# Altium PCB visual_tactile.PcbDoc (continued)
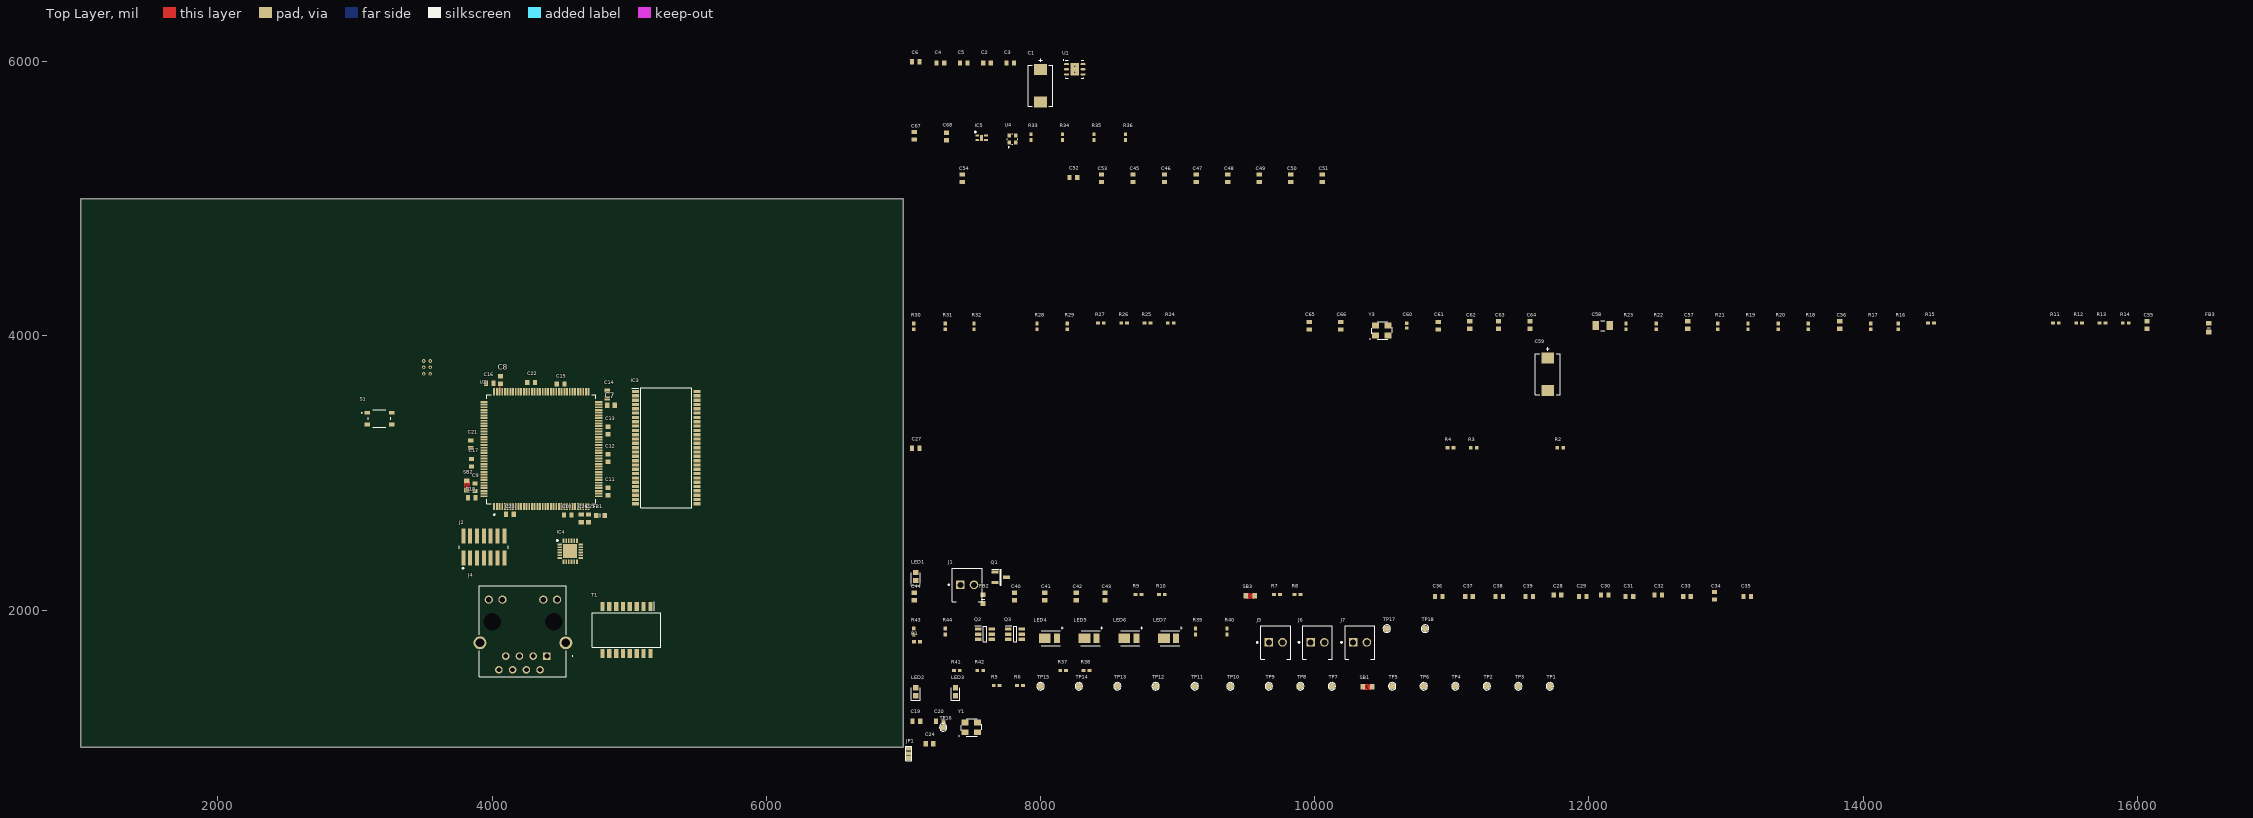
[diagram p0: Top Layer view]
## Part data (continued)
C7 C8: library part C0603C300J5GACTU, "Ceramic Capacitor, Multilayer, Ceramic, 6.3V, 10% +Tol, 10% -Tol, X7R, 15% TC, 2.2uF, Surface Mount, 0603", Capacitor Type=Ceramic, Case/Package=0603, Manufacturer="Kyocera AVX", Manufacturer_Name=KEMET, Max Operating Temperature=125°C, Min Operating Temperature=-55°C, Mouser Part Number=80-C0603C300J5G, Package Shape=Rectangular, Package Style=SMTMeter, Rated DC Voltage (URdc)=6.3V, Temperature Characteristics Code=X7R, Tolerance  (fill in as +-)=10%, Arrow Part Number=C0603C300J5GACTU, Arrow Price/Stock=https://www.arrow.com/en/products/c0603c300j5gactu/kemet-corporation, Category="Ceramic Capacitors", ComponentLink1Description=https://datasheet.ciiva.com:443/pdfs/VipMasterIC/IC/AVXC/AVXC-S-A0009640452/AVXC-S-A0009640452-1.pdf?src-supplier=IHS+Markit, ComponentLink1URL=https://datasheet.ciiva.com:443/pdfs/VipMasterIC/IC/AVXC/AVXC-S-A0009640452/AVXC-S-A0009640452-1.pdf?src-supplier=IHS+Markit, Datasheet Link=https://content.kemet.com/datasheets/KEM_C1003_C0G_SMD.pdf, Dielectric Material=Ceramic, Height=0.87mm, JESD-609 Code=e3, Length=1.6mm, Manufacturer Part Number=06036C225KAT2A, Manufacturer_Part_Number=C0603C300J5GACTU, Mounting Technology="Surface Mount", Mouser Price/Stock=https://www.mouser.co.uk/ProductDetail/KEMET/C0603C300J5GACTU?qs=KQYYlyH3z3RpeXhtJmCcMA%3D%3D, Multilayer=Yes, Packaging="Tape and Reel", Pins=2, Pricing="4000=0.0297, 8000=0.0293 (USD)", Reach SVHC Compliant=Yes, RoHS=Yes, RoHS Compliant=Yes, Stock=848000, Supplier="Arrow Electronics", Supplier Part Number=06036C225KAT2A, Terminal Finish=Nickel, Termination=Wraparound, Tolerance (fill in as +-)=10%, Width=0.81mm
C20 C21 C65 C66: library part C0603C300J5GACTU, "Ceramic Capacitor, Multilayer, Ceramic, 50V, 5% +Tol, 5% -Tol, C0G, 30ppm/Cel TC, 0.00003uF, Surface Mount, 0603", Capacitor Type=Ceramic, Case/Package=0603, Manufacturer=KEMET, Max Operating Temperature=125°C, Min Operating Temperature=-55°C, Mouser Part Number=80-C0603C300J5G, Package Shape=Rectangular, Package Style=SMTMeter, Rated DC Voltage (URdc)=50V, Temperature Characteristics Code=C0G, Tolerance  (fill in as +-)=5%, Arrow Part Number=C0603C300J5GACTU, Arrow Price/Stock=https://www.arrow.com/en/products/c0603c300j5gactu/kemet-corporation, Category="Ceramic Capacitors", ComponentLink1Description=https://datasheet.ciiva.com:443/pdfs/VipMasterIC/IC/KEME/KEME-S-A0005605168/KEME-S-A0005605168-1.pdf?src-supplier=IHS+Markit, ComponentLink1URL=https://datasheet.ciiva.com:443/pdfs/VipMasterIC/IC/KEME/KEME-S-A0005605168/KEME-S-A0005605168-1.pdf?src-supplier=IHS+Markit, ComponentLink2Description=https://datasheet.ciiva.com/22700/1691965-22700853.pdf?src-supplier=Element14, ComponentLink2URL=https://datasheet.ciiva.com/22700/1691965-22700853.pdf?src-supplier=Element14, ComponentLink3Description=https://datasheet.ciiva.com/5420/kem-c1003-c0g-smd-356956-5420875.pdf?src-supplier=Mouser, ComponentLink3URL=https://datasheet.ciiva.com/5420/kem-c1003-c0g-smd-356956-5420875.pdf?src-supplier=Mouser, Datasheet Link=https://content.kemet.com/datasheets/KEM_C1003_C0G_SMD.pdf, Dielectric Material=Ceramic, Height=0.87mm, JESD-609 Code=e3, Length=1.6mm, Manufacturer Part Number=C0603C300J5GACTU, Manufacturer_Name=KEMET, Manufacturer_Part_Number=C0603C300J5GACTU, Mounting Technology="Surface Mount", Mouser Price/Stock=https://www.mouser.co.uk/ProductDetail/KEMET/C0603C300J5GACTU?qs=KQYYlyH3z3RpeXhtJmCcMA%3D%3D, Multilayer=Yes, Packaging="Tape and Reel", Pins=2, Pricing="1=0.1, 10=0.032, 50=0.032, 100=0.016, 1000=0.011, 10000=0.008 (USD)", Reach SVHC Compliant=Yes, RoHS=Yes, RoHS Compliant=Yes, Stock=135157, Supplier=Mouser, Supplier Part Number=80-C0603C300J5G, Terminal Finish=Nickel, Termination=Wraparound, Tolerance (fill in as +-)=5%, Width=0.8mm
C28 C31 C34 C37: library part C0603C300J5GACTU, "Ceramic Capacitor, Multilayer, Ceramic, 10V, 10% +Tol, 10% -Tol, X5R, 15% TC, 10uF, Surface Mount, 0603", Capacitor Type=Ceramic, Case/Package=0603, Manufacturer=KEMET, Max Operating Temperature=125°C, Min Operating Temperature=-55°C, Mouser Part Number=80-C0603C300J5G, Package Shape=Rectangular, Package Style=SMTMeter, Rated DC Voltage (URdc)=50V, Temperature Characteristics Code=C0G, Tolerance  (fill in as +-)=5%, Arrow Part Number=C0603C300J5GACTU, Arrow Price/Stock=https://www.arrow.com/en/products/c0603c300j5gactu/kemet-corporation, Category="Ceramic Capacitors", ComponentLink1Description=https://datasheet.ciiva.com:443/pdfs/VipMasterIC/IC/KEME/KEME-S-A0005605168/KEME-S-A0005605168-1.pdf?src-supplier=IHS+Markit, ComponentLink1URL=https://datasheet.ciiva.com:443/pdfs/VipMasterIC/IC/KEME/KEME-S-A0005605168/KEME-S-A0005605168-1.pdf?src-supplier=IHS+Markit, ComponentLink2Description=https://datasheet.ciiva.com/22700/1691965-22700853.pdf?src-supplier=Element14, ComponentLink2URL=https://datasheet.ciiva.com/22700/1691965-22700853.pdf?src-supplier=Element14, ComponentLink3Description=https://datasheet.ciiva.com/5420/kem-c1003-c0g-smd-356956-5420875.pdf?src-supplier=Mouser, ComponentLink3URL=https://datasheet.ciiva.com/5420/kem-c1003-c0g-smd-356956-5420875.pdf?src-supplier=Mouser, ComponentLink4Description=https://datasheet.ciiva.com:443/pdfs/VipMasterIC/IC/TDKC/TDKC-S-A0008796792/TDKC-S-A0008796792-1.pdf?src-supplier=IHS+Markit, ComponentLink4URL=https://datasheet.ciiva.com:443/pdfs/VipMasterIC/IC/TDKC/TDKC-S-A0008796792/TDKC-S-A0008796792-1.pdf?src-supplier=IHS+Markit, Datasheet Link=https://content.kemet.com/datasheets/KEM_C1003_C0G_SMD.pdf, Dielectric Material=Ceramic, Height=0.87mm, JESD-609 Code=e3, Length=1.6mm, Manufacturer Part Number=C0603C300J5GACTU, Manufacturer_Name=KEMET, Manufacturer_Part_Number=C0603C300J5GACTU, Mounting Technology="Surface Mount", Mouser Price/Stock=https://www.mouser.co.uk/ProductDetail/KEMET/C0603C300J5GACTU?qs=KQYYlyH3z3RpeXhtJmCcMA%3D%3D, Multilayer=Yes, Packaging="Tape and Reel", Pins=2, Pricing="1=0.1, 10=0.032, 50=0.032, 100=0.016, 1000=0.011, 10000=0.008 (USD)", Reach SVHC Compliant=Yes, RoHS=Yes, RoHS Compliant=Yes, Stock=135157, Supplier=Mouser, Supplier Part Number=80-C0603C300J5G, Terminal Finish=Nickel, Termination=Wraparound, Tolerance (fill in as +-)=5%, Width=0.8mm
C29 C30 C32 C33 C35 C36 C38 C39 C61 C68: library part C0603C300J5GACTU, "Ceramic Capacitor, Multilayer, Ceramic, 10V, 10% +Tol, 10% -Tol, X5R, 15% TC, 1uF, Surface Mount, 0603", Capacitor Type=Ceramic, Case/Package=0603, Manufacturer="Kyocera AVX", Manufacturer_Name=KEMET, Max Operating Temperature=85°C, Min Operating Temperature=-55°C, Mouser Part Number=80-C0603C300J5G, Package Shape=Rectangular, Package Style=SMTMeter, Rated DC Voltage (URdc)=10V, Temperature Characteristics Code=X5R, Tolerance  (fill in as +-)=10%, Arrow Part Number=C0603C300J5GACTU, Arrow Price/Stock=https://www.arrow.com/en/products/c0603c300j5gactu/kemet-corporation, Category="Ceramic Capacitors", ComponentLink1Description=https://datasheet.ciiva.com:443/pdfs/VipMasterIC/IC/AVXC/AVXC-S-A0009640604/AVXC-S-A0009640604-1.pdf?src-supplier=IHS+Markit, ComponentLink1URL=https://datasheet.ciiva.com:443/pdfs/VipMasterIC/IC/AVXC/AVXC-S-A0009640604/AVXC-S-A0009640604-1.pdf?src-supplier=IHS+Markit, ComponentLink2Description=https://datasheet.ciiva.com/11787/0900766b80a45521-11787469.pdf?src-supplier=Rs, ComponentLink2URL=https://datasheet.ciiva.com/11787/0900766b80a45521-11787469.pdf?src-supplier=Rs, ComponentLink3Description=https://datasheet.ciiva.com/150/cx5r-150308.pdf?src-supplier=Digikey, ComponentLink3URL=https://datasheet.ciiva.com/150/cx5r-150308.pdf?src-supplier=Digikey, ComponentLink4Description=https://datasheet.ciiva.com/150/cx5r-150309.pdf?src-supplier=Digikey, ComponentLink4URL=https://datasheet.ciiva.com/150/cx5r-150309.pdf?src-supplier=Digikey, ComponentLink5Description=https://datasheet.ciiva.com/150/cx5r-150310.pdf?src-supplier=Digikey, ComponentLink5URL=https://datasheet.ciiva.com/150/cx5r-150310.pdf?src-supplier=Digikey, ComponentLink6Description=https://datasheet.ciiva.com/6128/84508-6128747.pdf?src-supplier=Farnell, ComponentLink6URL=https://datasheet.ciiva.com/6128/84508-6128747.pdf?src-supplier=Farnell, ComponentLink7Description=https://datasheet.ciiva.com/11462/cx5r-11462907.pdf?src-supplier=Avnet, ComponentLink7URL=https://datasheet.ciiva.com/11462/cx5r-11462907.pdf?src-supplier=Avnet, ComponentLink8Description=https://datasheet.ciiva.com/2987/cx5r-2987907.pdf?src-supplier=Avnet, ComponentLink8URL=https://datasheet.ciiva.com/2987/cx5r-2987907.pdf?src-supplier=Avnet, ComponentLink9Description=https://datasheet.ciiva.com/16200/cx5r-16200364.pdf?src-supplier=Future+Electronics, ComponentLink9URL=https://datasheet.ciiva.com/16200/cx5r-16200364.pdf?src-supplier=Future+Electronics, ComponentLink10Description=https://datasheet.ciiva.com/14604/70001028-14604907.pdf?src-supplier=Allied+Electronics, ComponentLink10URL=https://datasheet.ciiva.com/14604/70001028-14604907.pdf?src-supplier=Allied+Electronics, ComponentLink11Description=https://datasheet.ciiva.com/1458/1666675-1458205.pdf?src-supplier=Element14, ComponentLink11URL=https://datasheet.ciiva.com/1458/1666675-1458205.pdf?src-supplier=Element14, ComponentLink12Description=https://datasheet.ciiva.com/1458/1666675-1458206.pdf?src-supplier=Element14, ComponentLink12URL=https://datasheet.ciiva.com/1458/1666675-1458206.pdf?src-supplier=Element14, ComponentLink13Description=https://datasheet.ciiva.com/1458/84508-1458207.pdf?src-supplier=Element14, ComponentLink13URL=https://datasheet.ciiva.com/1458/84508-1458207.pdf?src-supplier=Element14, ComponentLink14Description=https://datasheet.ciiva.com/7855/1666675-7855113.pdf?src-supplier=Element14, ComponentLink14URL=https://datasheet.ciiva.com/7855/1666675-7855113.pdf?src-supplier=Element14, Datasheet Link=https://content.kemet.com/datasheets/KEM_C1003_C0G_SMD.pdf, Dielectric Material=Ceramic, Height=0.87mm, JESD-609 Code=e3, Length=1.6mm, Manufacturer Part Number=0603ZD105KAT2A, Manufacturer_Part_Number=C0603C300J5GACTU, Mounting Technology="Surface Mount", Mouser Price/Stock=https://www.mouser.co.uk/ProductDetail/KEMET/C0603C300J5GACTU?qs=KQYYlyH3z3RpeXhtJmCcMA%3D%3D, Multilayer=Yes, Packaging="Tape and Reel", Pins=2, Pricing="4000=0.0155, 8000=0.014, 12000=0.0136, 20000=0.0135, 24000=0.0127, 100000=0.009 (USD)", Reach SVHC Compliant=Yes, RoHS=Yes, RoHS Compliant=Yes, Stock=612000, Supplier="Arrow Electronics", Supplier Part Number=0603ZD105KAT2A, Terminal Finish=Nickel, Termination=Wraparound, Tolerance (fill in as +-)=10%, Width=0.81mm
C52 C53: library part C0603C300J5GACTU, "Ceramic Capacitor, Multilayer, Ceramic, 6.3V, 10% +Tol, 10% -Tol, X7R, 15% TC, 2.2uF, Surface Mount, 0603", Capacitor Type=Ceramic, Case/Package=0603, Manufacturer=KEMET, Manufacturer Part Number=C0603C225K4PACTU, Max Operating Temperature=85°C, Min Operating Temperature=-55°C, Mouser Part Number=80-C0603C300J5G, Package Shape=Rectangular, Package Style=SMTMeter, Rated DC Voltage (URdc)=16V, Supplier Part Number=80-C0603C225K4P, Temperature Characteristics Code=X5R, Tolerance  (fill in as +-)=10%, Arrow Part Number=C0603C300J5GACTU, Arrow Price/Stock=https://www.arrow.com/en/products/c0603c300j5gactu/kemet-corporation, Category="Ceramic Capacitors", ComponentLink1Description=https://datasheet.ciiva.com:443/pdfs/VipMasterIC/IC/KEME/KEME-S-A0008991665/KEME-S-A0008991665-1.pdf?src-supplier=IHS+Markit, ComponentLink1URL=https://datasheet.ciiva.com:443/pdfs/VipMasterIC/IC/KEME/KEME-S-A0008991665/KEME-S-A0008991665-1.pdf?src-supplier=IHS+Markit, ComponentLink2Description=https://datasheet.ciiva.com:443/pdfs/VipMasterIC/IC/AVXC/AVXC-S-A0009640452/AVXC-S-A0009640452-1.pdf?src-supplier=IHS+Markit, ComponentLink2URL=https://datasheet.ciiva.com:443/pdfs/VipMasterIC/IC/AVXC/AVXC-S-A0009640452/AVXC-S-A0009640452-1.pdf?src-supplier=IHS+Markit, Datasheet Link=https://content.kemet.com/datasheets/KEM_C1003_C0G_SMD.pdf, Dielectric Material=Ceramic, Height=0.87mm, JESD-609 Code=e3, Length=1.6mm, Manufacturer_Name=KEMET, Manufacturer_Part_Number=C0603C300J5GACTU, Mounting Technology="Surface Mount", Mouser Price/Stock=https://www.mouser.co.uk/ProductDetail/KEMET/C0603C300J5GACTU?qs=KQYYlyH3z3RpeXhtJmCcMA%3D%3D, Multilayer=Yes, Packaging="Tape and Reel", Pins=2, Pricing="1=0.12, 10=0.049, 50=0.049, 100=0.029, 1000=0.024, 10000=0.022 (USD)", Reach SVHC Compliant=Yes, RoHS=Yes, RoHS Compliant=Yes, Stock=124128, Supplier=Mouser, Terminal Finish=Nickel, Termination=Wraparound, Tolerance (fill in as +-)=10%, Width=0.8mm
C58: library part CMP-2000-05436-2, "CAP CER 1000PF 2KV X7R 1206", Capacitance=1nF, Case Code (Imperial)=1206, Case Code (Metric)=3216, Dielectric=X7R, Insulation Resistance=10GR, Max Operating Temperature=125°C, Min Operating Temperature=-55°C, Package Quantity=1, Resistor Type=Ceramic, Tolerance=10%, Voltage=2kV, Case/Package=1206, Construction=Flat, Depth=1.6mm, Dissipation Factor=2.5%, Height=1.25mm, Lead Free="Lead Free", Length=3.2mm, Mount="Surface Mount", Number of Pins=2, Packaging="Tape and Reel", Radiation Hardening=No, RoHS Compliant=Yes, Series=CC, Termination=SMD/SMT, Thickness=0.057inch, Voltage Rating=2kV, Voltage Rating (DC)=2kV, Width=0.063inch
C60: library part CC0402KRX7R7BB104, "Ceramic Capacitor, Multilayer, Ceramic, 50V, 5% +Tol, 5% -Tol, C0G, 30ppm/Cel TC, 0.00047uF, Surface Mount, 0603", Capacitor Type=Ceramic, Case/Package=0402, Manufacturer=Murata, Manufacturer Part Number=GRM1555C1H471JA01D, Manufacturer_Name=KEMET, Max Operating Temperature=125°C, Min Operating Temperature=-55°C, Mouser Part Number=603-CC402KRX7R7BB104, Package Shape=Rectangular, Package Style=SMTMeter, Rated DC Voltage (URdc)=50V, Supplier Part Number=81-GRM1555C1H471JA01, Temperature Characteristics Code=C0G, Tolerance  (fill in as +-)=5%, Arrow Part Number=CC0402KRX7R7BB104, Arrow Price/Stock=https://www.arrow.com/en/products/cc0402krx7r7bb104/yageo?region=nac, Category="Ceramic Capacitors", ComponentLink1Description=https://psearch.en.murata.com:443/capacitor/product/GRM1555C1H471JA01%23.pdf?src-supplier=IHS+Markit, ComponentLink1URL=https://psearch.en.murata.com:443/capacitor/product/GRM1555C1H471JA01%23.pdf?src-supplier=IHS+Markit, ComponentLink2Description=https://datasheet.ciiva.com/18184/getdatasheetpartid-178845-18184393.pdf?src-supplier=Verical, ComponentLink2URL=https://datasheet.ciiva.com/18184/getdatasheetpartid-178845-18184393.pdf?src-supplier=Verical, ComponentLink3Description=https://datasheet.ciiva.com/7828/4360-7828869.pdf?src-supplier=Element14, ComponentLink3URL=https://datasheet.ciiva.com/7828/4360-7828869.pdf?src-supplier=Element14, ComponentLink4Description=https://datasheet.ciiva.com/132/partnumbering-e-01-132216.pdf?src-supplier=Digikey, ComponentLink4URL=https://datasheet.ciiva.com/132/partnumbering-e-01-132216.pdf?src-supplier=Digikey, ComponentLink5Description=https://datasheet.ciiva.com/132/partnumbering-e-01-132215.pdf?src-supplier=Digikey, ComponentLink5URL=https://datasheet.ciiva.com/132/partnumbering-e-01-132215.pdf?src-supplier=Digikey, ComponentLink6Description=https://datasheet.ciiva.com/132/partnumbering-e-01-132217.pdf?src-supplier=Digikey, ComponentLink6URL=https://datasheet.ciiva.com/132/partnumbering-e-01-132217.pdf?src-supplier=Digikey, ComponentLink7Description=https://datasheet.ciiva.com/7828/4360-7828871.pdf?src-supplier=Element14, ComponentLink7URL=https://datasheet.ciiva.com/7828/4360-7828871.pdf?src-supplier=Element14, ComponentLink8Description=https://datasheet.ciiva.com:443/pdfs/VipMasterIC/IC/KEME/KEME-S-A0007731554/KEME-S-A0007723451-1.pdf?src-supplier=IHS+Markit, ComponentLink8URL=https://datasheet.ciiva.com:443/pdfs/VipMasterIC/IC/KEME/KEME-S-A0007731554/KEME-S-A0007723451-1.pdf?src-supplier=IHS+Markit, Datasheet Link=http://www.datasheets360.com/pdf/-5354154806277341459, Dielectric Material=Ceramic, Height=0.55mm, JESD-609 Code=e3, Length=1mm, Manufacturer_Part_Number=CC0402KRX7R7BB104, Mounting Technology="Surface Mount", Mouser Price/Stock=https://www.mouser.co.uk/ProductDetail/YAGEO/CC0402KRX7R7BB104?qs=AgBp2OyFlx%252BSOyhfyS7hpw%3D%3D, Multilayer=Yes, Packaging="Tape and Reel", Pins=2, Pricing="1=0.1, 10=0.023, 50=0.023, 100=0.012, 1000=0.009, 10000=0.006 (USD)", Reach SVHC Compliant=Yes, RoHS=Yes, RoHS Compliant=Yes, Stock=427132, Supplier=Mouser, Terminal Finish=Nickel, Termination=Wraparound, Tolerance (fill in as +-)=5%, Width=0.5mm
D1: "Diode ESD (Uni-directional)", Manufacturer_Name=STMicroelectronics, Mouser Part Number=511-USBLC6-4SC6Y, Arrow Part Number=USBLC6-4SC6Y, Arrow Price/Stock=https://www.arrow.com/en/products/usblc6-4sc6y/stmicroelectronics?region=nac, Datasheet Link=https://www.st.com/resource/en/datasheet/usblc6-4sc6y.pdf, Height=1.45mm, Manufacturer_Part_Number=USBLC6-4SC6Y, Mouser Price/Stock=https://www.mouser.co.uk/ProductDetail/STMicroelectronics/USBLC6-4SC6Y?qs=gNDSiZmRJS%252B5K%252Bxjl%252Bw9xw%3D%3D
FB1 FB2 FB3: "Ferrite Bead", Manufacturer_Name="TAIYO YUDEN", Mouser Part Number=963-FBMH1608HM601-T, Arrow Part Number=FBMH1608HM601-T, Arrow Price/Stock=https://www.arrow.com/en/products/fbmh1608hm601-t/taiyo-yuden, Datasheet Link=https://componentsearchengine.com/Datasheets/2/FBMH1608HM601-T.pdf, Height=0.9mm, Manufacturer_Part_Number=FBMH1608HM601-T, Mouser Price/Stock=https://www.mouser.co.uk/ProductDetail/Taiyo-Yuden/FBMH1608HM601-T?qs=I6KAKw0tg2y6O4cu0afp%252BA%3D%3D
IC1: "Integrated Circuit", Manufacturer_Name="Texas Instruments", Mouser Part Number=595-TLV74328PDBVR, Arrow Part Number=TLV74328PDBVR, Arrow Price/Stock=https://www.arrow.com/en/products/tlv74328pdbvr/texas-instruments, Datasheet Link=http://www.ti.com/lit/gpn/tlv743p, Height=1.45mm, Manufacturer_Part_Number=TLV74328PDBVR, Mouser Price/Stock=https://www.mouser.co.uk/ProductDetail/Texas-Instruments/TLV74328PDBVR?qs=EU6FO9ffTwcPVi1bAnm%2FxQ%3D%3D
IC2: "Integrated Circuit", Manufacturer_Name="Texas Instruments", Mouser Part Number=595-TLV74315PDBVR, Arrow Part Number=TLV74315PDBVR, Arrow Price/Stock=https://www.arrow.com/en/products/tlv74315pdbvr/texas-instruments, Datasheet Link=http://www.ti.com/lit/gpn/tlv743p, Height=1.45mm, Manufacturer_Part_Number=TLV74315PDBVR, Mouser Price/Stock=https://www.mouser.com/Search/Refine.aspx?Keyword=595-TLV74315PDBVR
IC3: "Integrated Circuit", Manufacturer_Name="Integrated Silicon Solution Inc.", Mouser Part Number=870-IS42S16400J-7TLI, Arrow Part Number=IS42S16400J-7TLI, Arrow Price/Stock=https://www.arrow.com/en/products/is42s16400j-7tli/integrated-silicon-solution-inc?region=europe, Datasheet Link=http://www.issi.com/WW/pdf/42-45S16400J.pdf, Height=1.2mm, Manufacturer_Part_Number=IS42S16400J-7TLI, Mouser Price/Stock=https://www.mouser.co.uk/ProductDetail/ISSI/IS42S16400J-7TLI?qs=eOmjsnl%2FhF6IYGbICFWNhg%3D%3D
IC4: "Integrated Circuit", Manufacturer_Name=Microchip, Mouser Part Number=579-LAN8742A-CZ-TR, Arrow Part Number=LAN8742A-CZ-TR, Arrow Price/Stock=https://www.arrow.com/en/products/lan8742a-cz-tr/microchip-technology?region=nac, Datasheet Link=http://ww1.microchip.com/downloads/en/DeviceDoc/8742a.pdf, Height=1mm, Manufacturer_Part_Number=LAN8742A-CZ-TR, Mouser Price/Stock=https://www.mouser.co.uk/ProductDetail/Microchip-Technology/LAN8742A-CZ-TR?qs=6qKXPk0vzx0Y6uPCt7MXWw%3D%3D
IC5: "Integrated Circuit", Manufacturer_Name=Sensirion, Mouser Part Number=403-SHT40-AD1B-R2, Arrow Part Number=SHT40-AD1B-R2, Arrow Price/Stock=https://www.arrow.com/en/products/sht40-ad1b-r2/sensirion-ag?region=nac, Datasheet Link=https://www.mouser.dk/datasheet/2/682/Sensirion_10272020_Datasheet_SHT4x-1919523.pdf, Height=0.59mm, Manufacturer_Part_Number=SHT40-AD1B-R2, Mouser Price/Stock=https://www.mouser.co.uk/ProductDetail/Sensirion/SHT40-AD1B-R2?qs=zW32dvEIR3scTT6A4VuzaQ%3D%3D
J1 J5 J6 J7: library part CMP-2000-05299-1, "Male Header, Pitch 2.54 mm, 1 x 2 Position, Height 9 mm, Tail Length 3.5 mm", Colour=Green, Manufacturer="Phoenix Contact", Content=250pc(s), Datasheet URL=http://datasheet.octopart.com/1725656-Phoenix-Contact-datasheet-5302866.pdf, Datasheet Version=Apr-08, Industrial packaging=Yes, Manufacturer part No.=1725656, Manufacturer URL=http://www.phoenixcontact.com/, Number of Contacts=2, Pitch=2.54mm, Type=MPT0,5/2-2,54
J2: library part CMP-02766-001412-1, "CONN HEADER SMD 14POS 1.27MM", Housing Color=Black, Max Operating Temperature=125°C, Min Operating Temperature=-55°C, Contact Material=Bronze, Contact Plating=Gold, Depth=5.84mm, Gender=Male, Housing Material=Polymer, Lead Free="Lead Free", Length=8.89mm, Number of Contacts=14, Number of Rows=2, Orientation=Straight, Packaging=Rail/Tube, Pitch=1.27mm, Radiation Hardening=No, RoHS Compliant=Yes, Termination=Solder
J3: "Connector", Manufacturer_Name="Wurth Elektronik", Mouser Part Number=710-68712414522, Datasheet Link=http://katalog.we-online.com/em/datasheet/6871xx14522.pdf, Height=2mm, Manufacturer_Part_Number=68712414522, Mouser Price/Stock=https://www.mouser.co.uk/ProductDetail/Wurth-Elektronik/68712414522?qs=gQDq3jdaPP%252BItTj8tkqRTw%3D%3D
J4: "Conn Jack 1PORT 100 Base-tx Pcb", Manufacturer=Pulse, Manufacturer_Name="Pulse Electronics", Mouser Part Number=673-JXD2-0Z10NL, Supplier Part Number=4058812, Arrow Part Number=JXD2-0Z10NL, Arrow Price/Stock=https://www.arrow.com/en/products/jxd2-0z10nl/pulse-electronics-corporation?region=europe, Category="Modular / Ethernet Connectors", ComponentLink1Description=https://datasheet.octopart.com/JXD2-0Z10NL-Pulse-datasheet-165161310.pdf?src-supplier=Sager+Electronics, ComponentLink1URL=https://datasheet.octopart.com/JXD2-0Z10NL-Pulse-datasheet-165161310.pdf?src-supplier=Sager+Electronics, Datasheet Link=https://productfinder.pulseelectronics.com/api/open/product-attachments/datasheet/jxd2-0z10nl, Height=17.2mm, Manufacturer Part Number=JXD2-0Z10NL, Manufacturer_Part_Number=JXD2-0Z10NL, Mouser Price/Stock=https://www.mouser.co.uk/ProductDetail/Pulse-Electronics/JXD2-0Z10NL?qs=MyNHzdoqoQKKbi0V%2FxsyPg%3D%3D, Pricing="1=6, 10=5.17, 25=4.94, 50=4.69, 100=4.46, 500=4.21 (EUR)", RoHS=No, Stock=762, Supplier=Farnell
LED1 LED2 LED3: "LED", Manufacturer_Name="Wurth Elektronik", Mouser Part Number=710-150060RS75000, Datasheet Link=http://katalog.we-online.de/led/datasheet/150060RS75000.pdf, Height=0.8mm, Manufacturer_Part_Number=150060RS75000, Mouser Price/Stock=https://www.mouser.co.uk/ProductDetail/Wurth-Elektronik/150060RS75000?qs=LlUlMxKIyB3QnmZ3fw%2FVCA%3D%3D
LED4 LED5 LED6 LED7: "LED", Manufacturer_Name="CREE LED", Manufacturer_Part_Number=JE2835BWT-P-U35GA0000-N0000001, Mouser Part Number=941-JE2835BWTPU30GAN, Arrow Part Number=JE2835BWT-P-U30GA0000-N0000001, Arrow Price/Stock=https://www.arrow.com/en/products/je2835bwt-p-u30ga0000-n0000001/cree, Datasheet Link=https://th.mouser.com/datasheet/2/723/JSeries_2835_3V_Consolidated-2940268.pdf, Mouser Price/Stock=https://www.mouser.co.uk/ProductDetail/Cree-Inc/JE2835BWT-P-U30GA0000-N0000001/?qs=wnTfsH77Xs7%2FtRTpVd%252BPCA%3D%3D
Q1: "MOSFET (P-Channel)", Manufacturer_Name=Vishay, Mouser Part Number=781-SI2301CDS-E3, Arrow Part Number=SI2301CDS-T1-E3, Arrow Price/Stock=https://www.arrow.com/en/products/si2301cds-t1-e3/vishay?region=nac, Datasheet Link=https://componentsearchengine.com/Datasheets/2/SI2301CDS-T1-E3.pdf, Height=1.12mm, Manufacturer_Part_Number=SI2301CDS-T1-E3, Mouser Price/Stock=https://www.mouser.co.uk/ProductDetail/Vishay-Semiconductors/SI2301CDS-T1-E3?qs=45wPT2wjtGkQH%252ByrbRpz4Q%3D%3D
Q2 Q3: "Transistor NPN/NPN BISS", Manufacturer_Name=onsemi, Mouser Part Number=512-FMBM5551, Arrow Part Number=FMBM5551, Arrow Price/Stock=https://www.arrow.com/en/products/fmbm5551/on-semiconductor?region=nac, Datasheet Link=https://www.onsemi.com/pdf/datasheet/fmbm5551-d.pdf, Height=1.1mm, Manufacturer_Part_Number=FMBM5551, Mouser Price/Stock=https://www.mouser.co.uk/ProductDetail/onsemi-Fairchild/FMBM5551?qs=VOMQJJE%252BBNnHm%2F5A44uOUQ%3D%3D
R1 R2 R3 R4 R5 R6 R7 R8 R9 R10 R11 R12 R13 R14 R15 R16 R17 R18 R19 R20 R21 R22 R23 R24 R25 R26 R27 R28 R29 R30 R31 R32 R33 R34 R35 R36 R37 R38 R39 R40 R41 R42 R43 R44: library part CPF0402B100KE, "Resistor", Manufacturer_Name="TE Connectivity", Mouser Part Number=279-CPF0402B100KE, Arrow Part Number=CPF0402B100KE, Arrow Price/Stock=https://www.arrow.com/en/products/cpf0402b100ke/te-connectivity?region=nac, Datasheet Link=http://www.farnell.com/datasheets/1786775.pdf, Height=0.35mm, Manufacturer_Part_Number=CPF0402B100KE, Mouser Price/Stock=https://www.mouser.co.uk/ProductDetail/TE-Connectivity-Holsworthy/CPF0402B100KE?qs=CXI0wBT1M2h4W2Gm72yIGA%3D%3D
S1: "Switch", Arrow Part Number="RKB2SJK250SMTR LFS", Manufacturer_Name="C & K COMPONENTS", Mouser Part Number=611-RKB2SJK250SMTRLF, Arrow Price/Stock=https://www.arrow.com/en/products/rkb2sjk250smtr-lfs/ck?region=europe, Datasheet Link=https://www.ckswitches.com/media/3130/ck_rk_datasheet.pdf, Height=2.7mm, Manufacturer_Part_Number="RKB2SJK250SMTR LFS", Mouser Price/Stock=https://www.mouser.co.uk/ProductDetail/CK/RKB2SJK250SMTR-LFS?qs=iLbezkQI%252BsjlTHT7lSJp%2Fw%3D%3D
SB1 SB2 SB3: library part "Circuit Breaker", "Circuit Breaker", Published=24-Mar-1999, Publisher="Altium Limited", Revision="July-2002: Re-released for DXP Platform."
T1: "Transformer", Manufacturer_Name="Pulse Electronics", Mouser Part Number=673-H1102NL, Arrow Part Number=H1102NL, Arrow Price/Stock=https://www.arrow.com/en/products/h1102nl/pulse-electronics-corporation?region=europe, Datasheet Link=https://productfinder.pulseeng.com/products/datasheets/h1102nl.pdf, Height=5.97mm, Manufacturer_Part_Number=H1102NL, Mouser Price/Stock=https://www.mouser.co.uk/ProductDetail/Pulse-Electronics/H1102NL?qs=EKu32SdDin%2FHU33L94JZxw%3D%3D
U1: library part CMP-0244-00290-1, "Very Low Quiescent BiCMOS Voltage Regulator, 3.3V, 6-Pin VFDFPN, Tape and Reel", ComponentLink1Description="Manufacturer URL", ComponentLink1URL=http://www.st.com, ComponentLink2Description=Datasheet, ComponentLink2URL=http://www.st.com/internet/com/TECHNICAL_RESOURCES/TECHNICAL_LITERATURE/DATASHEET/CD00186925.pdf, DatasheetVersion=1/09/2009, PackageDescription="6-Pin Plastic, Dual LLP, 3 x 3 mm Body, 0.95 mm Pitch, Exposed Pad", PackageReference=DFN6D, PackageVersion=2008
U2: library part CMP-12105-000028-1, "ARM® Cortex®-M7 STM32F7 Microcontroller IC 32-Bit 216MHz 2MB (2M x 8) FLASH 144-LQFP (20x20)", Ambient Temperature Range High=+105°C, Ambient Temperature Range Low=-40°C, Frequency=216MHz, Manufacturer=STMicroelectronics, Max Junction Temp=+125°C, Max Supply Voltage=3.6V, Min Supply Voltage=1.65V, Package=LQFP144-1A, Temperature="-40°C to +125°C", Automotive=No, Category=IC, ComponentLink2Description=Datasheet, ComponentLink2URL=https://www.st.com/resource/en/datasheet/stm32f767zi.pdf, Core Architecture="ARM Cortex-M7", Data Bus Width=32bits, Device Class L1="Integrated Circuits (ICs)", Device Class L2="Embedded Processors and Controllers", Device Class L3=Microcontrollers, Height=1.6mm, Interface=I2C,SPI,UART,USART,CAN,USB,LIN,IrDA,I2S,SMBus,Other, Lead Free=Yes, Manufacturer Part Number=STM32F767ZIT7TR, Memory Size=2048KBytes, Memory Type=FLASH, Number Of A/D Converters=3, Number Of Adc Channels=24, Number Of Cores=1, Number Of I2C Channels=4, Number Of I/Os=114, Number Of Spi Channels=6, Number Of Timers/Counters=15, Number Of Uart Channels=8, Number Of Usb Channels=1, Octopart=https://octopart.com/stm32f767zit7tr-stmicroelectronics-104904785, Ram Size=512KBytes, RoHS=TRUE, Standoff Height=0.05mm, Temperature Range High=+125°C, Temperature Range Low=-40°C
U3: library part CMP-0165-00187-2, "1 Mbit SPI Bus Serial EEPROM, 8-Pin DFN, Extended Temperature", DatasheetVersion="revC, Oct-2008", PackageDescription="8-Lead Plastic Dual Flat, No Lead Package (MF) - 6x5 mm Body [DFN-S]", PackageReference=DFNS-MF8, PackageVersion="revBB, Aug-2009"
U4: "Undefined or Miscellaneous", Manufacturer_Name=Lite-On, Mouser Part Number=859-LTR-329ALS-01, Arrow Part Number=LTR-329ALS-01, Arrow Price/Stock=https://www.arrow.com/en/products/ltr-329als-01/lite-on-technology?region=nac, Datasheet Link=http://www.mouser.com/ds/2/239/liteon_LTR-329ALS-01-1175539.stp, Height=0mm, Manufacturer_Part_Number=LTR-329ALS-01, Mouser Price/Stock=https://www.mouser.co.uk/ProductDetail/Lite-On/LTR-329ALS-01?qs=Ml%2FaxAEbwm8eHg8LIDPUrw%3D%3D
Y1 Y3: "Crystal or Oscillator", Manufacturer_Name=RALTRON, Manufacturer_Part_Number=CO4605-100.000-T-TR, Datasheet Link=http://www.raltron.com//wp-content/uploads/2018/12/clock_co43_46_Series-updated.pdf, Height=1.8mm
Y2: "Crystal or Oscillator", Arrow Part Number=ECS-2520MV-120-BN-TR, Manufacturer_Name=ECS, Mouser Part Number=520-2520MV-120-BN-T, Arrow Price/Stock=https://www.arrow.com/en/products/ecs-2520mv-120-bn-tr/ecs-international?region=nac, Datasheet Link=https://componentsearchengine.com/Datasheets/1/ECS-2520MV-120-BN-TR.pdf, Height=0.9mm, Manufacturer_Part_Number=ECS-2520MV-120-BN-TR, Mouser Price/Stock=https://www.mouser.co.uk/ProductDetail/ECS/ECS-2520MV-120-BN-TR?qs=fAHHVMwC%252BbguRJeb0QafEw%3D%3D

## Via types
v1: diameter 25.98, hole 12.99, Top Layer to Bottom Layer, tented bottom, 6 vias
v2: diameter 19.68, hole 7.87, Top Layer to Bottom Layer, 2 vias

## Nets (pads, with @x,y where several pads share a name; then routed paths per layer and width w, separated by ;. In a path a pad name is that pad's centre, name@x,y a point inside that pad or via, vN(x,y) a via of type N, cw(c..) or ccw(c..) an arc to the next point about the centre after c; other vN are vias at no path point)
+1.5V: C37.2 C38.1 C39.1 C41.2 IC2.5 J3.10
+2.8V: C31.2 C32.1 C33.1 C40.2 IC1.5 J3.4
+3.3V: C4.2 C5.2 C10.2 C11.2 C12.2 C13.2 C14.2 C15.2 C16.2 C17.2 C18.2 C19.2 C22.2 C23.2 C24.2 C28.2 C29.1 C30.1 C34.2 C35.1 C36.1 C42.2 C43.2 C45.2 C46.2 C47.2 C48.2 C49.2 C50.2 C51.2 C52.1 C53.1 C54.2 C62.1 C67.2 C68.1 FB1.1 FB3.2 IC1.1 IC1.3 IC2.1 IC2.3 IC3.1 IC3.3 IC3.9 IC3.14 IC3.27 IC3.43 IC3.49 IC4.9 IC5.3 J2.3 J3.11 R1.2 R7.2 R8.2 R9.2 R21.1 R22.1 R33.2 R34.2 R35.2 R36.2 SB2.2 SB3.2 U1.2 U2.6 U2.17 U2.30 U2.39 U2.52 U2.62 U2.72 U2.84 U2.95 U2.108 U2.121 U2.131 U2.144 U3.8 U4.1 Y2.1 Y2.4
+5V: C1.2 C2.2 C3.2 J5.2 J6.2 J7.2 LED4.2 LED5.2 LED6.2 LED7.2 Q1.2 U1.3
AGND: FB2.1 J3.2
CAM_D0: J3.19 U2.101
CAM_D1: J3.21 U2.97
CAM_D2: J3.22 U2.98
CAM_D3: J3.20 U2.126
CAM_D4: J3.18 U2.3
CAM_D5: J3.16 U2.117
CAM_D6: J3.14 U2.4
CAM_D7: J3.12 U2.5
CAM_HSYNC: J3.9 U2.40
CAM_PCLK: J3.17 U2.42
CAM_PWDN: J3.8 R10.2 U2.119
CAM_RESET: C44.2 J3.6 R9.1 U2.122
CAM_SCL: J3.5 R7.1 U2.136
CAM_SDA: J3.3 R8.1 U2.140
CAM_VSYNC: J3.7 U2.124
CAM_XCLK: JP1.1 TP1.1 U2.37
EEPROM_CS: SB1.2 U2.18 U3.1
EEPROM_HOLD: U2.20 U3.7
EEPROM_MISO: U2.134 U3.2
EEPROM_MOSI: U2.123 U3.5
EEPROM_SCK: U2.41 U3.6
EEPROM_WP: U2.19 U3.3
GND: C1.1 C2.1 C3.1 C4.1 C5.1 C6.1 C7.1 C8.1 C9.1 C10.1 C11.1 C12.1 C13.1 C14.1 C15.1 C16.1 C17.1 C18.1 C19.1 C20.1 C21.1 C22.1 C23.1 C24.1 C25.1 C26.1 C28.1 C29.2 C30.2 C31.1 C32.2 C33.2 C34.1 C35.2 C36.2 C37.1 C38.2 C39.2 C40.1 C41.1 C42.1 C43.1 C44.1 C45.1 C46.1 C47.1 C48.1 C49.1 C50.1 C51.1 C52.2 C53.2 C54.1 C55.1 C56.2 C57.2 C58.2 C59.1 C60.2 C61.2 C62.2 C63.2 C64.2 C65.1 C66.1 C67.1 C68.2 D1.2 FB2.2 IC1.2 IC2.2 IC3.6 IC3.12 IC3.28 IC3.41 IC3.46 IC3.52 IC3.54 IC4.25 IC5.4 J1.1 J2.5 J2.7 J2.11 J3.15 J3.25 J3.26 LED1.1 LED2.1 LED3.1 Q1.1 Q2.2 Q2.5 Q3.2 Q3.5 R4.1 R10.1 R17.1 R18.2 R30.1 R31.1 R32.1 S1.3 SB1.1 U1.6 U2.16 U2.31 U2.38 U2.51 U2.61 U2.83 U2.94 U2.107 U2.120 U2.130 U3.4 U4.2 Y1.2 Y1.4 Y2.2 Y3.2 Y3.4
LED_GREEN: IC4.2 J4.11 R31.2
LED_YELLOW: IC4.3 J4.9
NetC6_2: C6.2 U1.1
NetC7_2: C7.2 U2.71
NetC8_2: C8.2 U2.106 | length 59.8
  Top Layer w10: U2.106 4054.88,3644.45 C8.2
NetC9_2: C9.2 SB2.1 U2.143
NetC27_1: C27.1 S1.4
NetC27_2: C27.2 S1.2
NetC55_2: C55.2 C56.1 C57.1 C59.2 C63.1 C64.1 D1.5 FB3.1 IC4.1 IC4.19 R11.2 R12.2 R13.2 R14.2 T1.2 T1.7
NetC58_1: C58.1 R19.1 R20.1 R28.1 R29.1
NetC60_1: C60.1 C61.1 IC4.6
NetC65_2: C65.2 IC4.4 Y3.3
NetC66_2: C66.2 IC4.5 Y3.1
NetIC4_7: IC4.7 R16.2
NetIC4_8: IC4.8 R15.2
NetIC4_10: IC4.10 R17.2
NetIC4_14: IC4.14 R22.2 R23.2
NetIC4_24: IC4.24 R18.1
NetJ1_2: J1.2 Q1.3
NetJ3_1: J3.1 TP16.1
NetJ3_13: J3.13 JP1.2
NetJ3_23: J3.23 SB3.1
NetJ4_1: J4.1 R24.2
NetJ4_2: J4.2 R25.2
NetJ4_3: J4.3 R26.2
NetJ4_4: J4.4 J4.5 R28.2
NetJ4_6: J4.6 R27.2
NetJ4_7: J4.7 J4.8 R29.2
NetJ4_10: J4.10 R30.2
NetJ4_12: J4.12 R32.2
NetJ5_1: J5.1 R38.2
NetJ6_1: J6.1 R39.2
NetJ7_1: J7.1 R40.2
NetJP1_3: JP1.3 Y2.3
NetLED1_2: LED1.2 R1.1
NetLED2_2: LED2.2 R5.1
NetLED3_2: LED3.2 R6.1
NetLED4_1: LED4.1 LED5.1 LED6.1 LED7.1 R37.2
NetQ2_1: Q2.1 R42.2
NetQ2_3: Q2.3 R41.2
NetQ2_4: Q2.4 R37.1
NetQ2_6: Q2.6 R38.1
NetQ3_1: Q3.1 R44.2
NetQ3_3: Q3.3 R43.2
NetQ3_4: Q3.4 R39.1
NetQ3_6: Q3.6 R40.1
NetR2_2: R2.2 U2.112
NetR3_2: R3.2 U2.69
NetR4_2: R4.2 TP9.1 U2.138
NetR5_2: R5.2 TP14.1 U2.75
NetR6_2: R6.2 TP15.1 U2.76
NetR19_2: R19.2 T1.10
NetR20_2: R20.2 T1.15
NetR41_1: R41.1 U2.46
NetR42_1: R42.1 U2.47
NetR43_1: R43.1 U2.135
NetR44_1: R44.1 U2.96
NetTP2_1: TP2.1 U2.102
NetTP3_1: TP3.1 U2.111
NetTP4_1: TP4.1 U2.103
NetTP5_1: TP5.1 U2.104
NetTP6_1: TP6.1 U2.113
NetTP7_1: TP7.1 U2.23
NetTP8_1: TP8.1 U2.24
NetTP10_1: TP10.1 U2.21
NetTP11_1: TP11.1 U2.22
NetTP12_1: TP12.1 U2.81
NetTP13_1: TP13.1 U2.82
NRST: IC4.15 J2.12 S1.1 U2.25
RAM_A0: IC3.23 U2.10
RAM_A1: IC3.24 U2.11
RAM_A2: IC3.25 U2.12
RAM_A3: IC3.26 U2.13
RAM_A4: IC3.29 U2.14
RAM_A5: IC3.30 U2.15
RAM_A6: IC3.31 U2.50
RAM_A7: IC3.32 U2.53
RAM_A8: IC3.33 U2.54
RAM_A9: IC3.34 U2.55
RAM_A10: IC3.22 U2.56
RAM_A11: IC3.35 U2.57
RAM_BA0: IC3.20 U2.89
RAM_BA1: IC3.21 U2.90
RAM_CAS: IC3.17 U2.132
RAM_CKE: IC3.37 U2.29
RAM_CLK: IC3.38 U2.93
RAM_CS: IC3.19 U2.28
RAM_DQ0: IC3.2 U2.85
RAM_DQ1: IC3.4 U2.86
RAM_DQ2: IC3.5 U2.114
RAM_DQ3: IC3.7 U2.115
RAM_DQ4: IC3.8 U2.58
RAM_DQ5: IC3.10 U2.59
RAM_DQ6: IC3.11 U2.60
RAM_DQ7: IC3.13 U2.63
RAM_DQ8: IC3.42 U2.64
RAM_DQ9: IC3.44 U2.65
RAM_DQ10: IC3.45 U2.66
RAM_DQ11: IC3.47 U2.67
RAM_DQ12: IC3.48 U2.68
RAM_DQ13: IC3.50 U2.77
RAM_DQ14: IC3.51 U2.78
RAM_DQ15: IC3.53 U2.79
RAM_LDQM: IC3.15 U2.141
RAM_RAS: IC3.18 U2.49
RAM_UDQM: IC3.39 U2.142
RAM_WE: IC3.16 U2.26
RCC_IN: C20.2 U2.8 Y1.3
RCC_OUT: C21.2 U2.9 Y1.1
RD_N: D1.6 IC4.22 R14.1 T1.8
RD_P: D1.1 IC4.23 R13.1 T1.6
RMII_CRS_DV: IC4.11 U2.43
RMII_MDC: IC4.13 U2.27
RMII_MDIO: IC4.12 R21.2 U2.36
RMII_REF_CLK: R23.1 U2.35
RMII_RXD0: R15.1 U2.44
RMII_RXD1: R16.1 U2.45
RMII_TX_EN: IC4.16 U2.70
RMII_TXD0: IC4.17 U2.73
RMII_TXD1: IC4.18 U2.74
RX_N: R27.1 T1.9
RX_P: R26.1 T1.11
SEN_SCL: IC5.2 R33.1 R35.1 TP17.1 U2.100 U4.4
SEN_SDA: IC5.1 R34.1 R36.1 TP18.1 U2.99 U4.3
STLINK_RX: J2.13 R2.1
STLINK_TX: J2.14 R3.1
SWCLK: J2.6 U2.109
SWDIO: J2.4 U2.105
SWO: J2.8 U2.133
TD_N: D1.4 IC4.20 R12.1 T1.3
TD_P: D1.3 IC4.21 R11.1 T1.1
TX_N: R25.1 T1.14
TX_P: R24.1 T1.16
VDDA: C25.2 C26.2 FB1.2 U2.32 U2.33
pads on no net: IC1.4 IC2.4 IC3.36 IC3.40 IC5.5 J1.MH1 J1.MH2 J2.1 J2.2 J2.9 J2.10 J3.24 J4.MH1 J4.MH2 J4.MH3 J4.MH4 J5.MH1 J5.MH2 J6.MH1 J6.MH2 J7.MH1 J7.MH2 T1.4 T1.5 T1.12 T1.13 U1.4 U1.5 U1.7 U2.1 U2.2 U2.7 U2.34 U2.48 U2.80 U2.87 U2.88 U2.91 U2.92 U2.110 U2.116 U2.118 U2.125 U2.127 U2.128 U2.129 U2.137 U2.139 U3.9
copper on no net:
  other v1: 3501.38,3722.76 3548.62,3722.76 3501.38,3770 3548.62,3770 3501.38,3817.24 3548.62,3817.24
  other v2: 8250,5923.35 8250,5966.65

## Silkscreen, mask and mechanical layers (free items; w line width, h text height)
Mechanical 1:
  lines w10: 3700,1420 5668.5,1420 5668.5,3782.2 3700,3782.2 3700,1420